# Altium PCB GZ7_1_x.PcbDoc (part 1 of 2) (continued)
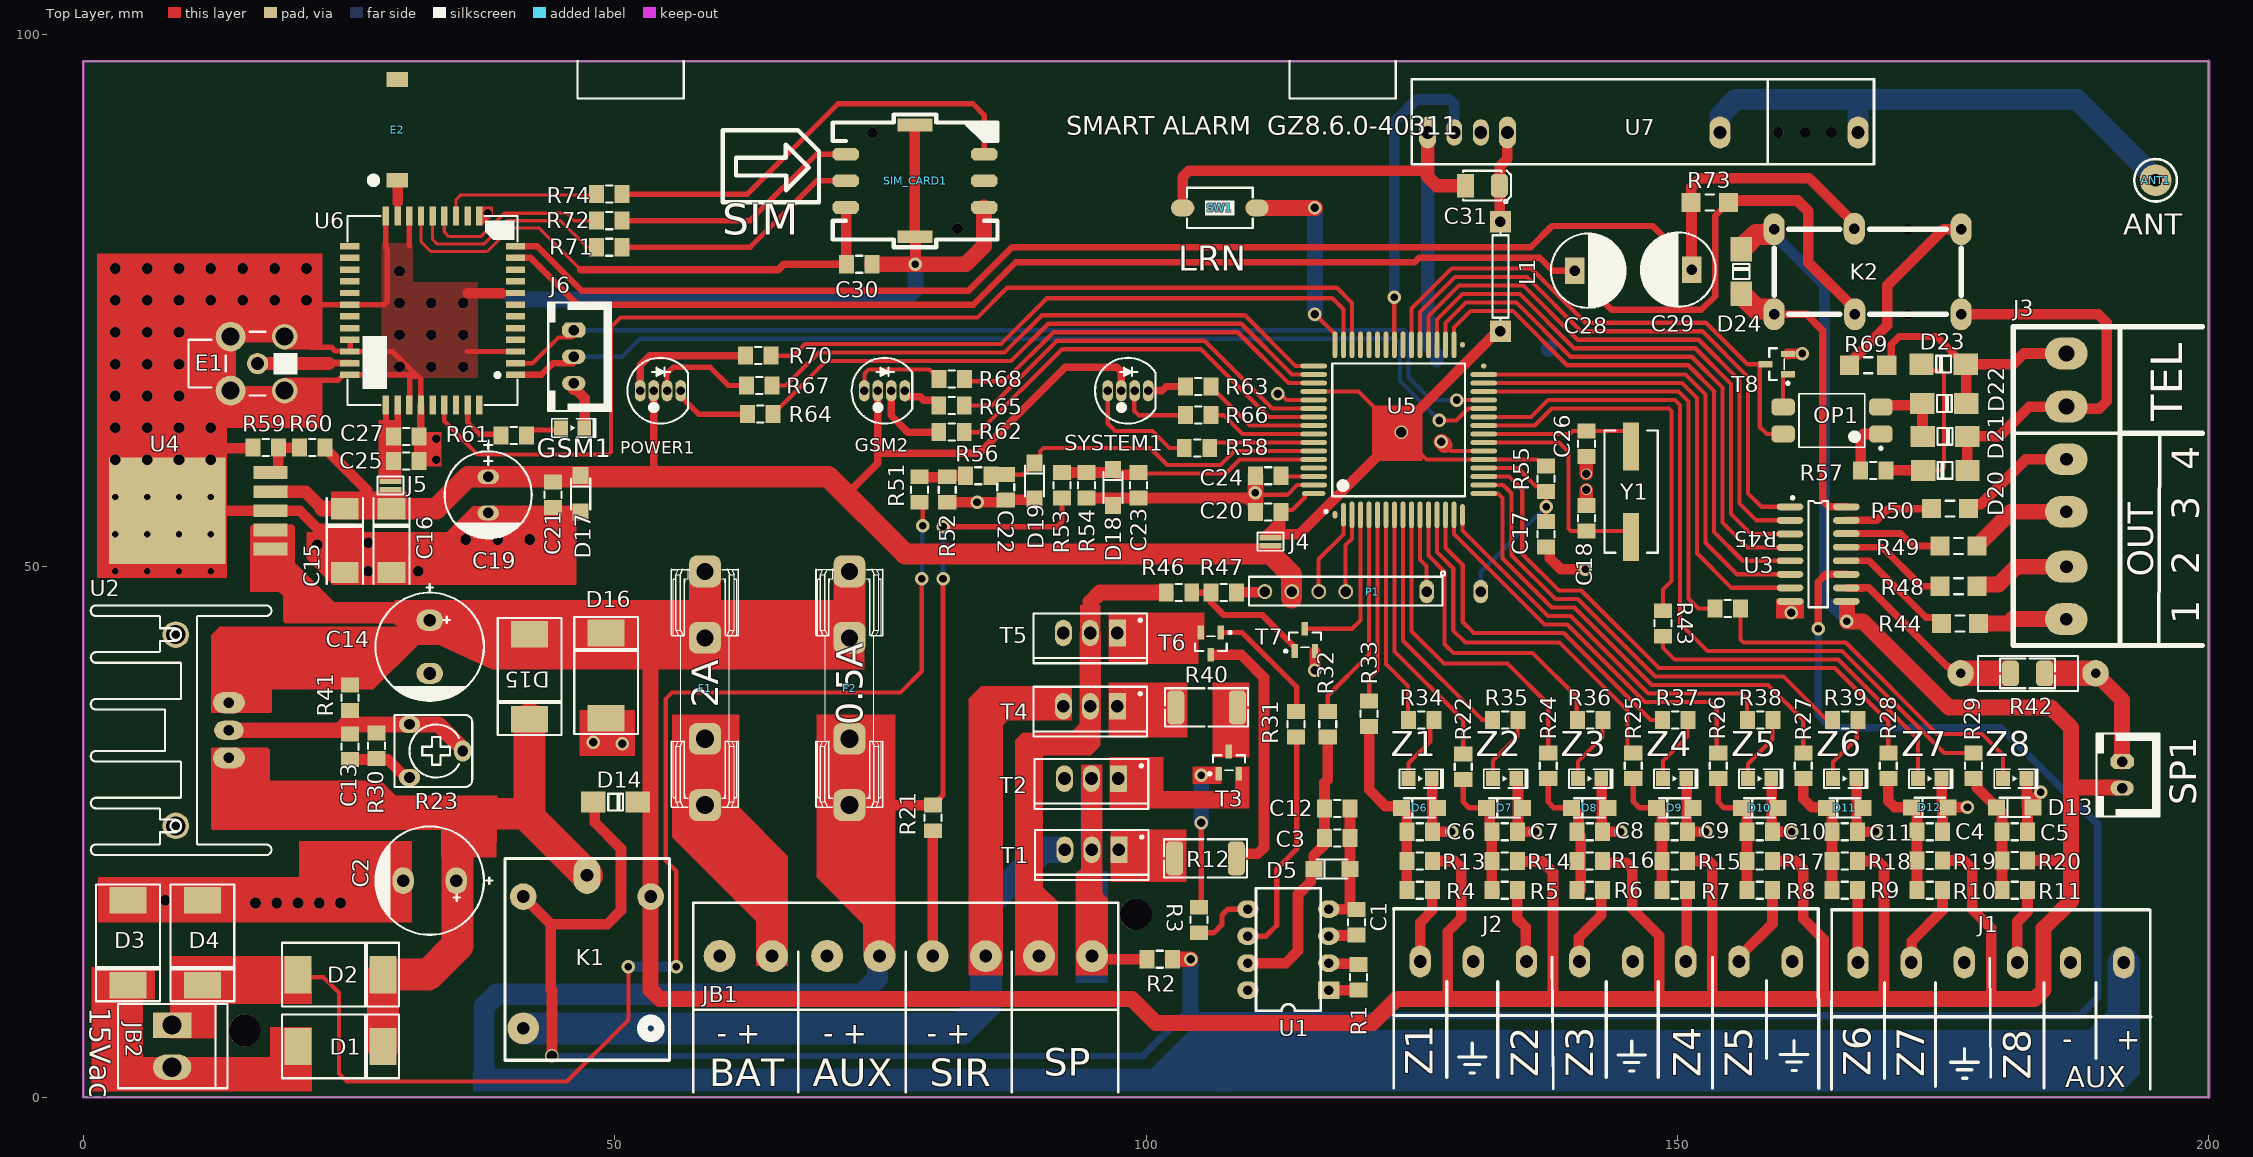
[diagram p0: Top Layer view]
## Components (designator, comment, footprint, x,y, rotation, side; value= is the part's Value field where it differs from the comment) (continued)
Y1 "14.745600" "CRYSTAL SMD" 145.65,56.995 r90 top
Z1 "LED5MM_RED" LED_SMD_0805 125.8,29.995 r180 top
Z2 "LED5MM_RED" LED_SMD_0805 133.75,29.995 r180 top
Z3 "LED5MM_RED" LED_SMD_0805 141.75,29.995 r180 top
Z4 "LED5MM_RED" LED_SMD_0805 149.75,29.995 r180 top
Z5 "LED5MM_RED" LED_SMD_0805 157.75,29.995 r180 top
Z6 "LED5MM_RED" LED_SMD_0805 165.75,29.995 r180 top
Z7 "LED5MM_RED" LED_SMD_0805 173.75,29.995 r180 top
Z8 "LED5MM_RED" LED_SMD_0805 181.75,29.995 r180 top

## Footprints (in the part's own frame and the unit in brackets; to place one, negate y for a bottom-side part, rotate by r counter-clockwise, add the part's x,y. Pads: shape width x height; smd on the part's side, far side on the other; paste and mask are expansions set on the pad)
ANT-SMD [mm]
  rect 1.4x2 smd: 1(0,0) 2(9.5,0)
  silkscreen extent -0.13,2.12 0.13,2.38, body extent 0.08,-1.05 9.58,1.05, height 1.06
C-TT1 [mm]
  rect 2x2.6 smd: 1(-3,0) 2(3,0)
  Top Layer pour cut-out: 2,1.3 -2,1.3 -2,-1.3 2,-1.3
  silkscreen extent -4,-1.7 4.1,1.7, body extent -3.05,-1.67 3.05,1.68, height 2.7
C_EL_8X14 [mm] "Capacitor Electrolythic, D8X14H pitch: 3.5mm"
  oval 1.4x2 hole 1: 1(-1.7,0) 2(1.7,0)
  silkscreen extent -5.1,-4.1 4.1,4.1, body extent -4.09,-4.1 4.1,4.1, height 14.6
C_EL_10X16 [mm] "Capacitor Electrolythic, D10.0X16.0H pitch: 5.0mm"
  oval 2x2.5 hole 1.2: 1(-2.5,0) 2(2.5,0)
  silkscreen extent -5.9,-5.1 5.1,5.1, body extent -5,-5 5,5, height 16
C_TN_3528 [mm]
  rrect50% 1.6x2.2 smd mask+0.1: 1(-1.6,0)
  rect 1.6x2.2 smd mask+0.1: 2(1.6,0)
  Top Layer pour cut-out: -0.889,1.4 -0.889,-1.4 0.889,-1.4 0.889,1.4
  silkscreen extent -2.7,-1.4 1.8,1.65, body extent -1.85,-1.46 1.85,1.47, height 2.03
"CAP ELECTROLITIC RADIAL 6X7-2.5" [mm] "Cap electrolitic radial 6x7-2.5-Design:Abbas Basereh"
  rect 1.8x2.5 hole 1: 1(-1.25,0)
  oval 1.8x2.5 hole 1: 2(1.25,0)
  silkscreen extent -3.5,-3.5 3.6,3.5, body extent -3,-3 3,3, height 7.3
CON8-AUX [mm]
  round 3 / inner oval 3x5 / far side oval 3x4 hole 1.2: 1(0,0) 3(10.112,0)
  round 3 / inner oval 3x4 / far side oval 3x4 hole 1.2: 2(4.938,-0.012)
  round 3 / inner oval 3x5 / far side oval 3x5 hole 1.2: 4(15.05,-0.012) 5(20.05,-0.012) 6(25.05,-0.012) 7(30.05,-0.012) 8(35.05,-0.012)
  silkscreen extent -2.48,-12.82 37.5,5, body extent -3.1,-5.31 37.55,5, height 14.15
CON-Z_1_4 [mm]
  oval 2x3 / inner round 0 / far side oval 3x5 hole 1.2: 1(0,0) 2(5,0) 3(10,0) 4(15,0) 5(20,0) 6(25,0) 7(30,0) 8(35,0)
  silkscreen extent -2.5,-11.97 37.5,5, body extent -3.1,-5.31 37.55,5, height 14.15
CON-Z_5_8 [mm]
  oval 2x3 / inner round 0 / far side oval 3x5 hole 1.2: 1(0,0) 2(5,0) 3(10,0) 4(15,0) 5(20,0) 6(25,0)
  silkscreen extent -2.5,-11.95 27.56,5, body extent -3.1,-5.31 27.55,5, height 14.15
"CRYSTAL SMD" [mm] "DESIGNER ABBAS BASEREH"
  rect 4.5x1.5 smd: 1(-4.25,0) 2(4.25,0)
  silkscreen extent -5.75,-2.5 5.75,2.5, body extent -6.21,-2.25 6.09,2.25, height 5.18
DIOD_5408 [mm] "DO-214-AA/SMB; 2 C-Bend Leads; Body 5.3 x 3.6 mm, inc. leads (LxW)"
  rect 3.5x2.5 smd: 1(0,4) 2(0,-4)
  silkscreen extent -3,-5.5 3,5.5, body extent -2.95,-4.04 2.95,4.04, height 2.54
"DIODE 1N4007 SMD" [mm] "DO-214AC 1N4001-4007"
  rect 2.3x2 smd: 1(0,0) 2(4.175,0)
  silkscreen extent 1.4,-0.81 2.79,0.83, body extent -0.54,-1.36 4.46,1.34, height 2.16
"Diode 1N4007 SMD" [mm] "DO-214AC 1N4001-4007"
  rect 2.3x2 smd: 1(0,0) 2(4.175,0)
  silkscreen extent 1.4,-0.81 2.79,0.83, body extent -0.54,-1.36 4.46,1.34, height 2.16
DIP8 [mm]
  rect 2x1.651 hole 0.9: 1(0,0)
  oval 2x1.651 hole 0.9: 2(0,-2.54) 3(0,-5.08) 4(0,-7.62) 5(7.62,-7.62) 6(7.62,-5.08) 7(7.62,-2.54) 8(7.62,0)
  silkscreen extent 0.76,-9.58 6.86,1.96, body extent -0.13,-9.53 7.75,1.91, height 4.19
"FUSE 5X20 WITH HOLDER PIN" [mm] "Dsigner : Abbas Basereh"
  rrect50% 3x3 hole 1.6: 1(0,4.75) 1(0,11)
  rrect50% 3x3 hole 1.7: 2(0,-11) 2(0,-4.75)
  silkscreen extent -3.18,-11.19 3.17,11.19, body extent -3.17,-11.69 3.17,11.69, height 8.63
HDR_P_GZ4 [mm] "HEADER FEMALE pitch: 2.54mm"
  oval 1.4x2.2 / inner round 0 / far side oval 1.4x2.2 hole 1 mask+0.1: 1(-12.7,0) 2(-7.62,0)
  round 1.4 / inner round 1.4 / far side oval 1.4x2.2 hole 1 mask+0.1: 4(0,0) 5(2.54,0) 6(5.08,0) 7(7.62,0)
  silkscreen extent -9.35,-1.9 9.1,1.3, body extent -9.01,-1.3 9.02,1.2, height 8.5
HSINK_TO220E [mm] "HEATSINK, TO-220, Epoxy meets UL94"
  oval 2x3 hole 1: 1(-2.6,-0.1) 3(2.6,-0.1)
  oval 1.8x2.8 hole 1: 2(0,-0.1)
  round 2.5 / inner round 1.4 / far side round 6 hole 1.8 unplated: ""(-9,4.9) ""(9,4.9)
  silkscreen extent -11.75,-4.1 11.75,12.9, body extent -11.75,-4.08 11.75,12.92, height 25
JUMP3 [mil]
  rect 82x20 smd: 1(0,0) 2(0,-30)
  silkscreen extent -48,-48 48,19
LED5RGB [mm] "LED THD 5MM RGB"
  oval 1x2 hole 0.8 mask+0.08: 1(-1.905,0) 2(-0.635,0) 3(0.627,0) 4(1.905,0)
  silkscreen extent -3.1,-3.1 2.6,3.1, body extent -2.83,-2.95 2.63,2.95, height 9.6
LED_SMD_0805 [mm] "SMD Mono-color Chip LED, body 2.0x1.25mm"
  rect 1.3x1.4 smd: 1(1.102,0) 2(-1.091,0)
  silkscreen extent -2.17,-0.88 1.95,0.88, body extent -1.02,-0.62 0.98,0.63, height 0.7
MCX5.08-H5 [mm] "Connector; RF Coaxial, MCX, Thru-Hole; 5 Position; Right-Angle"
  round 2 hole 1.2: 1(0,0)
  round 2.8 hole 1.7: 2(-2.54,-2.54) 5(-2.54,2.54)
  round 2.4 hole 1.7: 3(2.54,-2.54) 4(2.54,2.54)
  silkscreen extent -6.5,-3 3.75,3, body extent -11.6,-3.5 3.5,3.5, height 9.17
MINSIM [mm]
  oct 2.5x1.2 smd: 1(13,4.99) 2(13,2.49) 3(13,-0.01) 4(0,4.99) 5(0,2.49) 6(0,-0.01)
  rect 3.3x1.2 smd: 9(6.51,7.74) 10(6.51,-2.76)
  silkscreen extent -1.25,-3.75 24.6,8.75, body extent 0.5,-2.93 12.8,7.93, height 1.35
my805 [mm]
  rect 1.4x1.7 smd: 1(-1.2,0) 2(1.2,0)
  silkscreen extent -0.3,-0.8 0.3,0.8, body extent -1.15,-0.67 1.15,0.68, height 0.77
MY805 [mm]
  rect 1.4x1.7 smd: 1(-1.2,0) 2(1.2,0)
  silkscreen extent -0.3,-0.8 0.3,0.8, body extent -1.15,-0.67 1.15,0.68, height 0.77
"MY805 COP" [mm] "Chip Capacitor, Body 3.2x1.6mm, IPC High Density"
  rect 1.4x1.7 smd: 1(-1.2,0) 2(1.2,0)
  silkscreen extent -0.3,-0.8 0.3,0.8, body extent -1,-0.62 1,0.63, height 0.81
MY1206 [mm]
  rect 1.8x1.8 smd: 1(-1.75,0) 2(1.75,0)
  Top Layer pour cut-out: -1.2,0.9 1.2,0.9 1.2,-0.9 -1.2,-0.9
  silkscreen extent -0.4,-0.75 0.4,0.75, body extent -1.6,-0.8 1.6,0.8, height 0.55
my1206 [mm]
  rect 1.8x1.8 smd: 1(-1.75,0) 2(1.75,0)
  Top Layer pour cut-out: -1.2,0.9 1.2,0.9 1.2,-0.9 -1.2,-0.9
  silkscreen extent -0.4,-0.75 0.4,0.75, body extent -1.6,-0.8 1.6,0.8, height 0.55
MY29302 [mm]
  rect 10x11 smd: 0(0,4.6)
  rect 1.2x3.2 smd: 1(-3.6,-5.1) 2(-1.8,-5.1) 3(0,-5.1) 4(1.8,-5.1) 5(3.6,-5.1)
  body extent -5.16,-6.42 5.14,8.81, height 4.41
my-DO5X.1.5 [mm]
  rect 1.6x1.5 smd: 1(1.7,0) 2(-1.7,0)
  silkscreen extent -1.45,-0.9 1.45,0.9, body extent -1.88,-0.8 1.82,0.8, height 1.6
MY-DO5X.1.5 [mm]
  rect 1.6x1.5 smd: 1(1.7,0) 2(-1.7,0)
  silkscreen extent -1.45,-0.9 1.45,0.9, body extent -1.88,-0.8 1.82,0.8, height 1.6
MY_REL2 [mm]
  oval 3x2 hole 1: 1(0,0) 2(0,10) 4(-8.048,-0.044) 5(-8,10) 7(0,-7.6) 8(-8,-7.6)
  round 1 hole 1: 3(0,5)
  round 0 hole 1: 6(-8,5)
  silkscreen extent -8,-7.6 0,10, body extent -8.99,-8.85 1.11,12.15, height 11.44
PAD-ANT [mm]
  round 3 hole 1.2: 1(0,0)
  silkscreen extent -2,-2 2,2, body extent -0.5,-0.5 0.5,0.5, height 6.51
POT_7X5 [mm] "POT, TRIM, 7.5X5.0mm, pitch: 5.0mm"
  oval 1.6x2 hole 1 mask+0.08: 1(-2.5,-2.5) 3(2.5,-2.5)
  oval 2x1.6 hole 1 mask+0.08: 2(0,2.5)
  silkscreen extent -3.4,-3.9 3.4,3.4, body extent -3.25,-3.78 3.25,3.27, height 7
PWL_2 [mm] "Connector; Header; 2 Position"
  rect 2.4x3.6 hole 1.8: 1(-1.98,0)
  oval 2.4x3.6 hole 1.8: 2(1.98,0)
  silkscreen extent -3.98,-5.1 3.96,5.21, body extent -3.96,-5 3.96,5, height 13.5
R2512 [mm] "CHIP RESISTOR 1 WATT, 6.4X3.2mm, 2512, 6432"
  rrect50% 1.6x3.2 smd mask+0.08: 1(-2.9,0) 2(2.9,0)
  Top Layer pour cut-out: -2.4,1.9 2.4,1.9 2.4,-1.9 -2.4,-1.9
  silkscreen extent -3.9,-1.8 3.9,1.8, body extent -3.17,-1.5 3.18,1.5, height 1.6
REL [mm]
  oval 2.5x3.5 hole 1.2 mask+0.2: 1(0.993,6.009)
  round 3 hole 1.2 mask+0.2: 3(-5.007,-8.391)
  round 2.5 hole 1.2 mask+0.2: 4(-5.007,4.009) 5(6.993,4.009)
  silkscreen extent -6.73,-11.4 8.75,7.6, body extent -6.73,-11.41 8.77,7.59, height 15.01
RES-(1/2)DS [mm]
  round 2.5 hole 0.9 paste-2539.97 mask+0.075: 1(0,0) 2(12.7,0)
  rrect50% 1.6x2.4 smd paste-0.2 mask+0.075: 1(4.7,0) 2(7.9,0)
  Top Layer region: 7.901,-1.2 12.701,-1.2 12.701,1.2 7.901,1.2
  Top Layer region: 4.699,1.2 -0.101,1.2 -0.101,-1.2 4.699,-1.2
  silkscreen extent 1.65,-1.65 11.05,1.65, body extent 4.6,-1.35 8,1.35, height 0.69
Resistor_0.25w-0.4 [mm]
  rect 2x2 hole 1 mask+0.08: 1(-5.152,0) 2(5.152,0)
  silkscreen extent -4.11,-0.76 4.11,0.76, body extent -5.46,-1.16 5.31,1.16, height 3.43
RXB_6 [mm]
  oval 2x3 hole 1.2: 1(40.5,0) 5(27.5,0)
  round 1 hole 1: 2(38,0) 3(35.5,0) 4(33,0)
  oval 1.6x3 hole 1.2 mask+0.1: 6(7.5,0) 9(0,0)
  oval 1.5x2.5 hole 1.2 mask+0.1: 7(5,0) 8(2.5,0)
  silkscreen extent -1.5,-3 42,5
SIM800C_2 [mm]
  rect 0.6x1.8 smd: 1(0,0) 2(-1.1,0) 3(-2.2,0) 4(-3.3,0) 5(-4.4,0) 6(-5.5,0) 7(-6.6,0) 8(-7.7,0) 9(-8.8,0) 10(-9.9,0) 11(-11,0) 12(-12.1,0) 22(-12.1,-15.6) 23(-11,-15.6) 24(-9.9,-15.6) 25(-8.8,-15.6) 26(-7.7,-15.6) 27(-6.6,-15.6) 28(-5.5,-15.6) 29(-4.4,-15.6) 30(-3.3,-15.6) 31(-2.2,-15.6) 32(-1.1,-15.6) 33(0,-15.6)
  rect 1.8x0.6 smd: 13(-14.95,-3.4) 14(-14.95,-4.5) 15(-14.95,-5.6) 16(-14.95,-6.7) 17(-14.95,-7.8) 18(-14.95,-8.9) 19(-14.95,-10) 20(-14.95,-11.1) 21(-14.95,-12.2) 34(2.85,-12.2) 35(2.85,-11.1) 36(2.85,-10) 37(2.85,-8.9) 38(2.85,-7.8) 39(2.85,-6.7) 40(2.85,-5.6) 41(2.85,-4.5) 42(2.85,-3.4)
  Top Layer pour cut-out: 1.35,-14.4 1.35,-12.1 -3.65,-12.1 -3.65,-14.4
  silkscreen extent -14.95,-15.8 2.85,0.2, body extent -14.6,-15.7 3,0, height 2.37
"SMT Gullwing Lead-Form" [mm] "SOP, 4-Leads, Body 4/65x6/75mm, Pitch 2/54mm, IPC Medium Density designer:abbas basereh"
  rrect50% 2.2x1.6 smd mask+0.06: 1(-4.6,1.27) 2(-4.6,-1.27) 3(4.6,-1.27) 4(4.6,1.27)
  silkscreen extent -4.73,-2.5 3.1,2.74, body extent -5,-2.29 5,2.29, height 3.89
SO-16 [mm] "16-Pin Small Outline Integrated Circuit 1.27 mm Pitch, IPC Medium Density - DESIGNER ABBAS BASEREH"
  oval 2.5x0.65 smd: 1(-2.65,4.45) 2(-2.65,3.175) 3(-2.65,1.9) 4(-2.65,0.625) 5(-2.65,-0.625) 6(-2.65,-1.9) 7(-2.65,-3.175) 8(-2.65,-4.45) 9(2.65,-4.45) 10(2.65,-3.175) 11(2.65,-1.9) 12(2.65,-0.625) 13(2.65,0.65) 14(2.65,1.925) 15(2.65,3.175) 16(2.65,4.45)
  silkscreen extent -2.52,-5 0.9,5.42, body extent -3,-5.1 3,5.1, height 1.7
SOT23_N [mm] "SOT23, 3-Leads, Body 2.9x1.3mm, Pitch 0.95mm, Lead Span 2.3mm, IPC Medium Density"
  rect 1.3x0.6 smd: 1(-1.05,0.95) 2(-1.05,-0.95) 3(1.05,0)
  silkscreen extent -1.17,-1.5 0.7,1.92, body extent -1.27,-1.5 1.27,1.5, height 1.1
SWPBS_SPST_6X3X5 [mm] "SWITCH, PUSHBUTTON, SMD, SPST, 6X3.5mm, SKQMBBE010, 50000 Cycles, 1.57N Force"
  oval 2.2x1.6 smd mask+0.1: 1(-3.5,0) 2(3.5,0)
  silkscreen extent -3.1,-1.9 3.1,1.9, body extent -3.65,-1.75 3.65,1.75, height 5
T_4_OUT_TEL [mm]
  oval 3x4 hole 1.2: 1(0,0) 2(4.938,-0.012) 3(10.112,0) 4(15.05,-0.012)
  oval 3x4 hole 1.5: 5(20,0) 6(25,0)
  silkscreen extent -2.48,-12.82 27.5,5, body extent -3.1,-5.3 27.5,5, height 14.15
"TO-220 AB" [mm] "Epoxy meets UL94, V0-Design:Abbas Basereh"
  rect 1.6x2.5 hole 1.2: 1(-2.54,0)
  oval 1.6x2.5 hole 1.2: 2(0,0) 3(2.54,0)
  silkscreen extent -5.35,-1.85 5.35,2.85, body extent -5.08,-1.65 5.08,2.92, height 18.54
TQFP64_GZ4E_1 [mm]
  oval 0.7x0.46 smd: 1(-8,6)
  oval 2.2x0.46 smd: 2(-8,5.2)
  oval 2.5x0.46 smd: 3(-8,4.4) 4(-8,3.6) 5(-8,2.8) 6(-8,2) 7(-8,1.2) 8(-8,0.4) 9(-8,-0.4) 10(-8,-1.2) 11(-8,-2) 12(-8,-2.8) 13(-8,-3.6) 14(-8,-4.4) 15(-8,-5.2) 34(8,-5.2) 35(8,-4.4) 36(8,-3.6) 37(8,-2.8) 38(8,-2) 39(8,-1.2) 40(8,-0.4) 41(8,0.4) 42(8,1.2) 43(8,2) 44(8,2.8) 45(8,3.6) 46(8,4.4) 47(8,5.2) 48(8,6)
  oval 2x0.46 smd: 16(-8,-6)
  oval 0.46x2.5 smd: 17(-6,-8) 18(-5.2,-8) 19(-4.4,-8) 20(-3.6,-8) 21(-2.8,-8) 22(-2,-8) 23(-1.2,-8) 24(-0.4,-8) 25(0.4,-8) 26(1.2,-8) 27(2,-8) 28(2.8,-8) 29(3.6,-8) 30(4.4,-8) 31(5.2,-8) 49(6,8) 50(5.2,8) 51(4.4,8) 52(3.6,8) 53(2.8,8) 54(2,8) 55(1.2,8) 56(0.4,8) 57(-0.4,8) 58(-1.2,8) 59(-2,8) 60(-2.8,8) 61(-3.6,8) 62(-4.4,8) 63(-5.2,8)
  oval 0.46x0.5 smd: 32(6,-8)
  oval 0.5x0.46 smd: 33(8,-6)
  oval 0.46x2.2 smd: 64(-6,8)
  silkscreen extent -7.82,-6.25 6.25,6.97, body extent -8.01,-8 7.99,8, height 1.5
XH_2 [mm] "PW10-x-M, JST-BxB-XH-A pitch: 2.5mm, 3A/250v"
  oct 1.4x2.2 hole 1: 1(-1.25,0)
  oval 1.4x2.2 hole 1: 2(1.25,0)
  silkscreen extent -3.9,-2.4 3.9,3.5, body extent -3.75,-2.3 3.75,3.4, height 7
XH_3 [mm] "PW10-x-M, JST-BxB-XH-A pitch: 2.5mm, 3A/250v"
  oct 1.4x2.2 hole 1 mask+0.08: 1(-2.5,0)
  oval 1.4x2.2 hole 1 mask+0.08: 2(0,0) 3(2.5,0)
  silkscreen extent -5.1,-2.4 5.1,3.5, body extent -5,-2.3 5,3.4, height 7

## Part data
ANT1 E2: library part Antenna, "Multilayer Chip Antenna", LatestRevisionDate=17-Jul-2002, LatestRevisionNote="Re-released for DXP Platform.", PackageReference=PIN1, Published=24-Mar-1999, Publisher="Altium Limited"
C1 C3 C4 C5 C6 C7 C8 C9 C10 C11 C12 C13 C22 C23: library part "CAP SMD 0805", "CAP 0805", Data=16-12-2016, Desc.="CAP SMD 0805", Designer="Abbas Basereh"
C2 C14: library part "Cap electrolitic radial 18x26", "Cap electrolitic radial", Data=16-12-2016, Designer="Abbas Basereh"
C15 C16: library part "Cap Semi", "TANTAL"
C17 C18 C20 C21 C24 C25 C26 C27 C32: library part "Cap Semi", "CAP 0805", LatestRevisionDate=29-May-2009, LatestRevisionNote="IPC-7351 Footprint Added.", PackageDescription="Chip Capacitor", PackageReference=C1206, Published=8-Jun-2000, Publisher="Altium Limited"
C19 C31: library part "Cap electrolitic radial 10x21", "Cap electrolitic radial"
  C31: Data=16-12-2016, Designer="Abbas Basereh", Part. No=100U/50V
C28 C29: library part Cap2, "Cap electrolitic radial", PackageReference=CAPR5-4X5, Published=23-Sep-2002, Publisher="Altium Limited"
C30: library part CAP, "CAP 0805"
D1 D2 D3 D4 D15 D16: library part 1N5819, "Diode", Data=16-12-2016, Designer="Abbas Basereh"
D5: library part "1N4148 SMD", "Zener"
D6 D7 D8 D9 D10 D11 D12 D13 D17 D18 D19: library part Zener
D14: library part DIODE_THD, "DIODE, THD", ASSEMBLY=ASSEMBLY, DESC=DESCRIPTION, MANF=MANF, MANF_P#=1N4001, PARAM=100V, PARAM2=1A, PRICE=PRICE
D20 D21 D22 D23 D24: library part "Diode 1N4007", "Diode", Code_JEDEC=DO-204-AL, ComponentLink1Description="Manufacturer Link", ComponentLink1URL=http://www.fairchildsemi.com/, ComponentLink2Description=Datasheet, ComponentLink2URL=http://www.fairchildsemi.com/ds/1N%2F1N4001.pdf, DatasheetVersion=1998, LatestRevisionDate=17-Jul-2002, LatestRevisionNote="Re-released for DXP Platform.", PackageReference=DO-41, PackageVersion=Aug-1999, Published=8-Jun-2000, Publisher="Altium Limited"
E1: library part COAX-F, "50 Ohm Impedance", PackageDocument=04-Jul-1999, ComponentLink1Description="Manufacturer Link", ComponentLink1URL=http://www.amphenolrf.com/, DatasheetDocument=30-May-2003, DrillSize="Corresponds to nominal value.", LatestRevisionDate=15-Jul-2004, LatestRevisionNote="Component Replaced.", PackageReference=919-119J-51AX, PCB_Layout="Complies with manufacturer's recommendation.", Published=15-Jul-2004, Publisher="Altium Limited"
F1 F2: library part FUSE1, "Fuse"
GSM1: library part LED2, LatestRevisionDate=17-Jul-2002, LatestRevisionNote="Re-released for DXP Platform.", PackageDescription="SM LED; 2 Flat Leads", PackageReference=3.2X1.6X1.1, PackageVersion=Feb-2002, Published=8-Jun-2000, Publisher="Altium Limited"
GSM2 POWER1 SYSTEM1: library part LED_THD_5MM_RGB_CA, "LED, THD, 5MM, RGB COMMON CATHODE", ASSEMBLY=ASSEMBLY, DESC=DESCRIPTION, MANF="CHINA YOUNG", MANF_P#=YSL-R596CR3G4B5C-C10, PRICE=PRICE
J1 J2 J3: "CONN, TERMINAL BLOCK, 5.08mm pitch"
J6 SP1: "PW10-x-M, JST-BxB-XH-A pitch: 2.5mm, 3A/250v", MANF=JST, PARAM=3.0A, PARAM2=250v
  J6: MANF_P#=B3B-XH-A
  SP1: MANF_P#=B2B-XH-A
JB1: library part CONN_TB8, "CONN, TERMINAL BLOCK, 5.08mm pitch"
JB2: library part CONN_PWL_2, "Power Terminal 2pin,Header, 2-Pin"
K1: library part "RELAY General", "Relay_Milon", Company=E.P.I.L, Design_Date=2011/10/31, Designer="Ali Hafizi"
K2: library part RELAY-DPDT
L1: library part "INDUCTOR IRON", "INDUCTOR 1/4w"
OP1: library part Optoisolator1, "4-Pin Optocoupler", DatasheetVersion=Nov-2003, LatestRevisionDate=04-Mar-2005, LatestRevisionNote="Sch pins 3 & 4 Swapped.", PackageReference=DIP-4, Published=24-Mar-1999, Publisher="Altium Limited"
P1: library part "Header 7", "Header, 7-Pin", LatestRevisionDate=17-Jul-2002, LatestRevisionNote="Re-released for DXP Platform.", Publisher="Altium Limited"
R1 R3 R4 R5 R6 R7 R8 R9 R10 R11 R13 R14 R15 R16 R17 R18 R19 R20 R21 R22 R24 R25 R26 R27 R28 R29 R30 R31 R32 R33 R34 R35 R36 R37 R38 R39 R41 R43 R45 R51 R52 R53 R54 R56 R58 R59 R60 R62 R63 R64 R65 R66 R67 R68 R70: library part "RES 1206 0.25W", "RES 805"
  R1 R3 R4 R5 R6 R7 R8 R9 R10 R11 R13 R14 R16 R17 R18 R19 R20 R21 R22 R24 R25 R26 R27 R28 R29 R30 R31 R32 R33 R34 R35 R36 R37 R38 R39 R41 R43 R45 R51 R52 R53 R54 R56 R58 R59 R60 R62 R63 R64 R65 R66 R67 R68 R70: Data=16-12-2016, Desc.="RES SMD 1206", Designer="Abbas Basereh"
R2 R46 R47: library part "RES Axial 1W", "RES 805", Data=4-1-2017, Desc.="RES Axial 1W", Designer="Abbas Basereh"
R12 R40: library part "RES Axial 1W", "RES Axial 1W", Data=4-1-2017, Desc.="RES Axial 1W", Designer="Abbas Basereh"
R23: library part RES_THD_POT_7X5, "RESISTOR, THD, Potentiometer"
R42: library part "RES Axial 0.5W", "RES Axial 1/4W", Data=4-1-2017, Desc.="RES Axial 0.5W", Designer="Abbas Basereh"
R44 R48 R49 R50: library part "RES 1206 0.25W", "RES 1206", Data=16-12-2016, Desc.="RES SMD 1206", Designer="Abbas Basereh"
R55 R57 R61 R69 R71 R72 R73 R74: library part Res1, "RES 805"
  R55 R69 R71 R72 R73 R74: LatestRevisionDate=17-Jul-2002, LatestRevisionNote="Re-released for DXP Platform.", PackageReference=AXIAL-0.3, Published=8-Jun-2000, Publisher="Altium Limited"
SW1: library part SW-PB
T1 T4: library part PNP, "PNP Transistor"
T2 T5: library part NPN, "NPN Transistor"
T3 T6 T7: "NPN Transistor", ComponentLink1Description="Manufacturer Link", ComponentLink1URL=http://www.taitroncomponents.com/, ComponentLink2Description=Datasheet, ComponentLink2URL=http://www.taitroncomponents.com/, DatasheetVersion=2017, LatestRevisionDate=2017, LatestRevisionNote="IPC-7351 Footprint Added.", PackageDescription="3-Pin SOT-23 Package 0.95 mm Pitch, 2.3 mm Lead Span", PackageReference=SOT23, PackageVersion=2017-2-8, Published=2017-2-8, Publisher="Abbas Basereh"
T8: "SMD", ComponentLink1Description="Manufacturer Link", ComponentLink1URL=http://www.taitroncomponents.com/, ComponentLink2Description=Datasheet, ComponentLink2URL=http://www.taitroncomponents.com/, DatasheetVersion=2017, LatestRevisionDate=2017, LatestRevisionNote="IPC-7351 Footprint Added.", PackageDescription="3-Pin SOT-23 Package 0.95 mm Pitch, 2.3 mm Lead Span", PackageReference=SOT23, PackageVersion=2017-2-8, Published=2017-2-8, Publisher="Abbas Basereh"
U2: library part VREG_78M12_TO220, "REG, Linear, Fixed, 12v, 1.5A, TO220", MANF="TI, ST, ON", MANF_P#="L78M12CV, MC78M12CTG, UA78M12CKC", PARAM="12v, 1.5A", PARAM2=PARAM2
U3: library part ULN2003A, ComponentLink1Description=Datasheet, ComponentLink2URL=http://www.st.com
U4: library part Component_1_1, PageSetup=290302
U5: library part ATmega64-16AC, "8-Bit AVR Microcontroller", Code_JEDEC=MS-026-AEB, ComponentLink1Description="Manufacturer Link", ComponentLink1URL=http://www.atmel.com, ComponentLink2Description=Datasheet, ComponentLink2URL=http://www.atmel.com/dyn/resources/prod_documents/doc2490.pdf, DatasheetVersion=2490C-AVR-009/02, LatestRevisionDate=13-Apr-2006, LatestRevisionNote="IPC-7351 Footprint Added.", PackageDescription="64-Pin Thin Quad Flat Pack 0.8 mm Pitch", PackageReference=64A, PackageVersion="revB, Oct-2001", Published=17-Sep-2003, Publisher="Altium Limited"
Y1: library part XTAL, "Crystal Oscillator", LatestRevisionDate=17-Jul-2002, LatestRevisionNote="Re-released for DXP Platform.", PackageReference=R38, Published=8-Jun-2000, Publisher="Altium Limited"
Z1 Z2 Z3 Z4 Z5 Z6 Z7 Z8: library part LED_THD_5MM_RED, "LED, THD, 5MM, RED", ASSEMBLY=ASSEMBLY, DESC=DESCRIPTION, MANF=MANF, MANF_P#=MANF_PART#, PARAM2=2.2V, PRICE=PRICE

## Free pads (board coordinates)
  round 3 hole 3 mask+0.08: 2(15.205,6.295) 2(99.042,17.236)

## Via types
v1: diameter 1, hole 1, Top Layer to Bottom Layer, 43 vias
v2: diameter 1.27, hole 0.711, Top Layer to Bottom Layer, 26 vias
v3: diameter 0.6, hole 0.6, Top Layer to Bottom Layer, 12 vias
v4: diameter 1.27, hole 0.8, Top Layer to Bottom Layer, 10 vias
v5: diameter 1, hole 1, Top Layer to Bottom Layer, tented bottom, 9 vias
v6: diameter 0.8, hole 0.8, Top Layer to Bottom Layer, 3 vias
v7: diameter 1, hole 1, Top Layer to Bottom Layer, tented both sides, 2 vias
v8: diameter 1, hole 0.8, Top Layer to Bottom Layer, 2 vias
v9: diameter 1.27, hole 1, Top Layer to Bottom Layer, 2 vias
v10: diameter 1, hole 1, Top Layer to Bottom Layer, tented top, 2 vias

## Nets (pads, with @x,y where several pads share a name; then routed paths per layer and width w, separated by ;. In a path a pad name is that pad's centre, name@x,y a point inside that pad or via, vN(x,y) a via of type N, cw(c..) or ccw(c..) an arc to the next point about the centre after c; other vN are vias at no path point)
4.1V: C15.1 C16.1 C19.1 C21.1 D17.2 GSM2.2 J4.2 J5.2 P1.6 POWER1.2 R60.2 SYSTEM1.2 U4.4 | length 156.7
  Top Layer w0.7: 53.67,58.41 POWER1.2@53.67,66.495 ; 72.6,57.495 74.77,59.665 74.77,60.595 ; GSM2.2@74.77,66.495 74.77,60.595 ; SYSTEM1.2@97.67,66.495 97.67,68.285 97.26,68.695 92.4,68.695 84.3,60.595 74.77,60.595
  Top Layer w1: R60.2@22.73,61.145 22.73,60.995 22.93,60.795 23.03,60.795 26.705,57.12 26.705,56.395 ; 53.655,58.395 53.67,58.41
  Top Layer w1.2: U4.4@17.605,56.995 20.905,56.995 22.505,55.395
  Top Layer w1.5: 22.505,55.395 C15.1@24.605,55.395
  Top Layer w2: C15.1@24.605,55.395 26.705,55.395 C16.1@29.005,55.395 29.891,55.395 33.205,55.395 36.205,58.395 C19.1@38.105,58.395 44.205,58.395 46.805,58.395 53.655,58.395 70.1,58.395 77.355,51.14 111.745,51.14 113.7,49.185 113.7,47.595 P1.6@113.7,46.995
4.1V-J1: C25.1 C27.1 J5.1 U6.34 U6.35 | length 7.9
  Top Layer w0.5: J5.1@28.905,57.957 29.001,57.957 J5.1@29.005,57.961
  Top Layer w0.6: U6.34@28.483,65.07 28.483,62.922 28.705,62.699 29.305,62.699 C27.1@29.52,62.485 ; C27.1@29.078,62.745 29.205,62.618 C27.1@29.205,62.195 ; C27.1@29.578,62.699 U6.35@29.578,65.07
  Top Layer w1.5: C25.1@29.105,60.395 C27.1@29.105,61.895
4.1V-J2: C20.1 C32.1 J4.1 L1.1 R55.1 U5.21 U5.52 U5.64 | length 61.3
  Top Layer w0.4: C20.1@112.7,55.095 112.867,54.928 C20.1@113.1,54.695 ; C20.1@112.967,55.028 113.1,54.895 113.1,55.161 113.2,55.261 113.766,55.261 114.931,56.426 114.931,56.792 114.958,56.82 U5.64@115.78,56.82 ; U5.52@115.78,66.42 120.005,66.42 v9@123.715,62.71 ; v9@124.005,62.42 126.405,60.02 U5.21@131.78,60.02 136.58,60.02 cw(c136.58,59.395) R55.1@137.205,59.395
  Top Layer w1: C20.1@112.605,54.895 112.605,54.695 112.605,52.995 114.405,52.995 v9(124.005,62.595) ; v9@124.057,62.647 124.057,63.052 133.35,72.345 L1.1@133.35,72.367
  Bottom Layer w1.5: C32.1@122.205,62.695 C32.1@122.305,62.595
  Bottom Layer w1.6: C32.1@122.305,62.595 v9(124.005,62.595)
13.6V: C14.1 D14.2 D15.1 D16.2 D24.2 F1.1 F2.1 K1.5 K2.8 R13.1 R14.1 R15.1 R16.1 R17.1 R18.1 R19.1 R20.1 R41.2 SP1.2 U2.3 U3.9 U4.1 U4.2 | length 426.5
  Top Layer w1: U4.1@17.605,51.595 U4.2@17.605,53.395 ; D15.1@43.05,43.67 42.8,43.42 42.8,42.445 43.175,42.07 ; R13.1@126.95,22.245 129,22.245 129.65,21.595 129.65,16.84 128.405,15.595 128.405,9.245 ; R14.1@134.95,22.245 135,22.195 137.3,22.195 138.3,21.195 138.3,9.345 138.2,9.245 ; R15.1@143.3,22.095 145.164,22.095 145.75,21.509 145.75,17.745 148.3,15.195 148.3,9.245 ; R16.1@150.95,22.245 152.95,22.245 153.3,21.895 153.3,9.245 ; R17.1@158.95,22.245 161.1,22.245 161.85,21.495 161.85,16.795 163.75,14.895 163.75,9.245 ; R18.1@166.95,22.245 168.864,22.245 169.45,21.659 169.45,9.595 ; R19.1@174.95,22.295 176.95,22.295 177.75,21.495 177.75,17.695 179.55,15.895 179.55,9.245 ; R20.1@182.95,22.295 187.05,22.295
  Top Layer w1.5: D14.2@52.175,27.795 52.325,27.795 D14.2@52.575,27.545 ; 53.8,44.395 53.4,43.995 53.4,43.195 53.393,43.188 53.393,10.124 54.271,9.245 98.7,9.245 100.95,6.995 121.3,6.995 123.55,9.245 128.405,9.245 138.2,9.245 148.3,9.245 153.3,9.245 163.75,9.245 169.45,9.245 179.55,9.245 183.6,9.245 184.45,10.095 184.45,15.895 187.05,18.495 187.05,22.295 187.05,29.095 ; 165.95,46.245 v2(165.95,44.795) 167.45,44.795 175.55,36.695 185.15,36.695 187.05,34.795 187.05,29.145 SP1.2@191.5,29.145
  Top Layer w2: U2.3@13.705,37.145 14.205,37.145 14.205,37.645 16.605,40.045 20.705,40.045 ; 17.605,52.495 U4.1@17.605,51.595 17.605,51.195 23.205,45.595 C14.1@32.3,45.595 ; D24.2@156,79.795 156,79.945 156.15,79.945 157.4,81.195 159.1,81.195 K2.8@159.1,81.695
  Top Layer w3: F1.1@58.505,43.245 F1.1@58.505,49.495 ; F2.1@72.105,43.245 F2.1@72.105,49.495
  Bottom Layer w1: K2.8@159.1,81.695 159.1,81.195 163.85,76.445 163.85,46.895 v2(165.95,44.795)
19V: C2.1 D1.2 D2.2 D15.2 K1.1 U2.1 | length 55.2
  Top Layer w3: 28.105,26.691 41.9,26.691 ; D1.2@28.205,4.795 D2.2@28.205,11.113 ; D2.2@28.205,11.545 32.45,11.545 35.2,14.295 35.2,24.195 ; D15.2@42,35.595 42,26.791 41.9,26.691 ; K1.1@47.4,20.895 41.9,26.395 41.9,26.691
19V-AJIR: JB1.6 K1.3 T1.3 T4.3 | length 92.5
  Top Layer w2: JB1.6@85.121,13.486 JB1.6@84.93,13.295 84.93,34.825 86.9,36.795 T4.3@92.02,36.795
  Bottom Layer w2.5: JB1.6@84.93,13.295 84.93,17.925 90.3,23.295 T1.3@91.9,23.295
  Bottom Layer w3: K1.3@41.4,6.495 82.619,6.495 84.93,8.806 JB1.6@84.93,13.295
+AUX: F2.2 J1.6 JB1.4 R21.2 R53.2 | length 277.5
  Top Layer w0.5: R21.2@79.955,27.495 80.105,27.495 80.555,27.945 80.555,28.095 80.9,28.44 v2(80.9,48.795) ; v2(80.9,53.695) 91.6,53.695 92.1,54.195 R53.2@92.1,56.395
  Top Layer w1: F2.2@72.105,27.495 R21.2@79.955,27.495
  Top Layer w3: F2.2@72.105,33.745 F2.2@72.105,27.495 72.105,21.195 74.93,18.37 JB1.4@74.93,13.295
  Bottom Layer w0.5: v2(80.9,48.795) v2(80.9,53.695)
  Bottom Layer w2: 37.7,1.7 37.7,8.523 38.872,9.695 73.258,9.695 74.739,11.175 74.739,13.104 JB1.4@74.93,13.295 ; 38.872,1.695 107.35,1.695
  Bottom Layer w3: 107.35,2.027 108.818,3.495 187.95,3.495 192,7.545 J1.6@192,12.695
+BAT: F1.2 JB1.2 | length 23.1
  Top Layer w3: F1.2@58.505,33.745 F1.2@58.505,27.495 58.505,24.595 64.818,18.282 JB1.2@64.818,13.295
AC1: D1.1 D3.2 JB2.2 | length 14
  Top Layer w2.8: 3.931,2.333 17.943,2.333
AC2: D2.1 D4.2 JB2.1 R51.1 | length 127.9
  Top Layer w0.4: 18.948,11.295 22.605,11.295 24.055,9.845 24.055,2.245 24.816,1.483 45.489,1.483 51.3,7.295 v2(51.3,12.3) ; v2(55.8,12.3) 55.8,21.295 54.8,22.295 54.8,37.495 55.4,38.095 76.9,38.095 78.9,40.095 v2(78.9,48.807) ; R51.1@78.7,55.995 79,55.695 v2(79,53.795)
  Top Layer w3: D4.2@10.955,9.392 10.955,10.295 D4.2@11.205,10.545 ; D4.2@12.015,10.795 18.448,10.795 18.948,11.295
  Bottom Layer w0.4: v2(78.9,48.807) 78.95,48.857 78.95,53.645 v2@79,53.695
  Bottom Layer w1: v2(51.3,12.3) v2(55.8,12.3)
CHRIP: R32.2 U5.5 | length 20.1
  Top Layer w0.4: R32.2@117.1,36.295 117.1,37.795 120.98,41.675 U5.5@120.98,54.82
"DATA RXB": U5.41 U7.8 | length 30.4
  Top Layer w0.4: v2(123.35,75.295) 123.369,75.276 123.369,70.831 U5.41@123.38,70.82
  Bottom Layer w0.5: U7.8@129,90.79 U7.8@129.005,90.795
  Bottom Layer w1: v2(123.35,75.295) 123.35,91.795 125.45,93.895 128.55,93.895 129.005,93.44 U7.8@129.005,90.795